# Altium PCB ch32v307_core_board.PcbDoc
Units mm, origin at the board's own origin, x right, y up, seen from the top; angles counter-clockwise.
Board outline 47.39 x 41.04 mm, 2 copper layers (Top Layer, Bottom Layer); 30 components, 86 nets, 233 pads, 71 vias.
Unrouted connection lines stored in the file: 21.
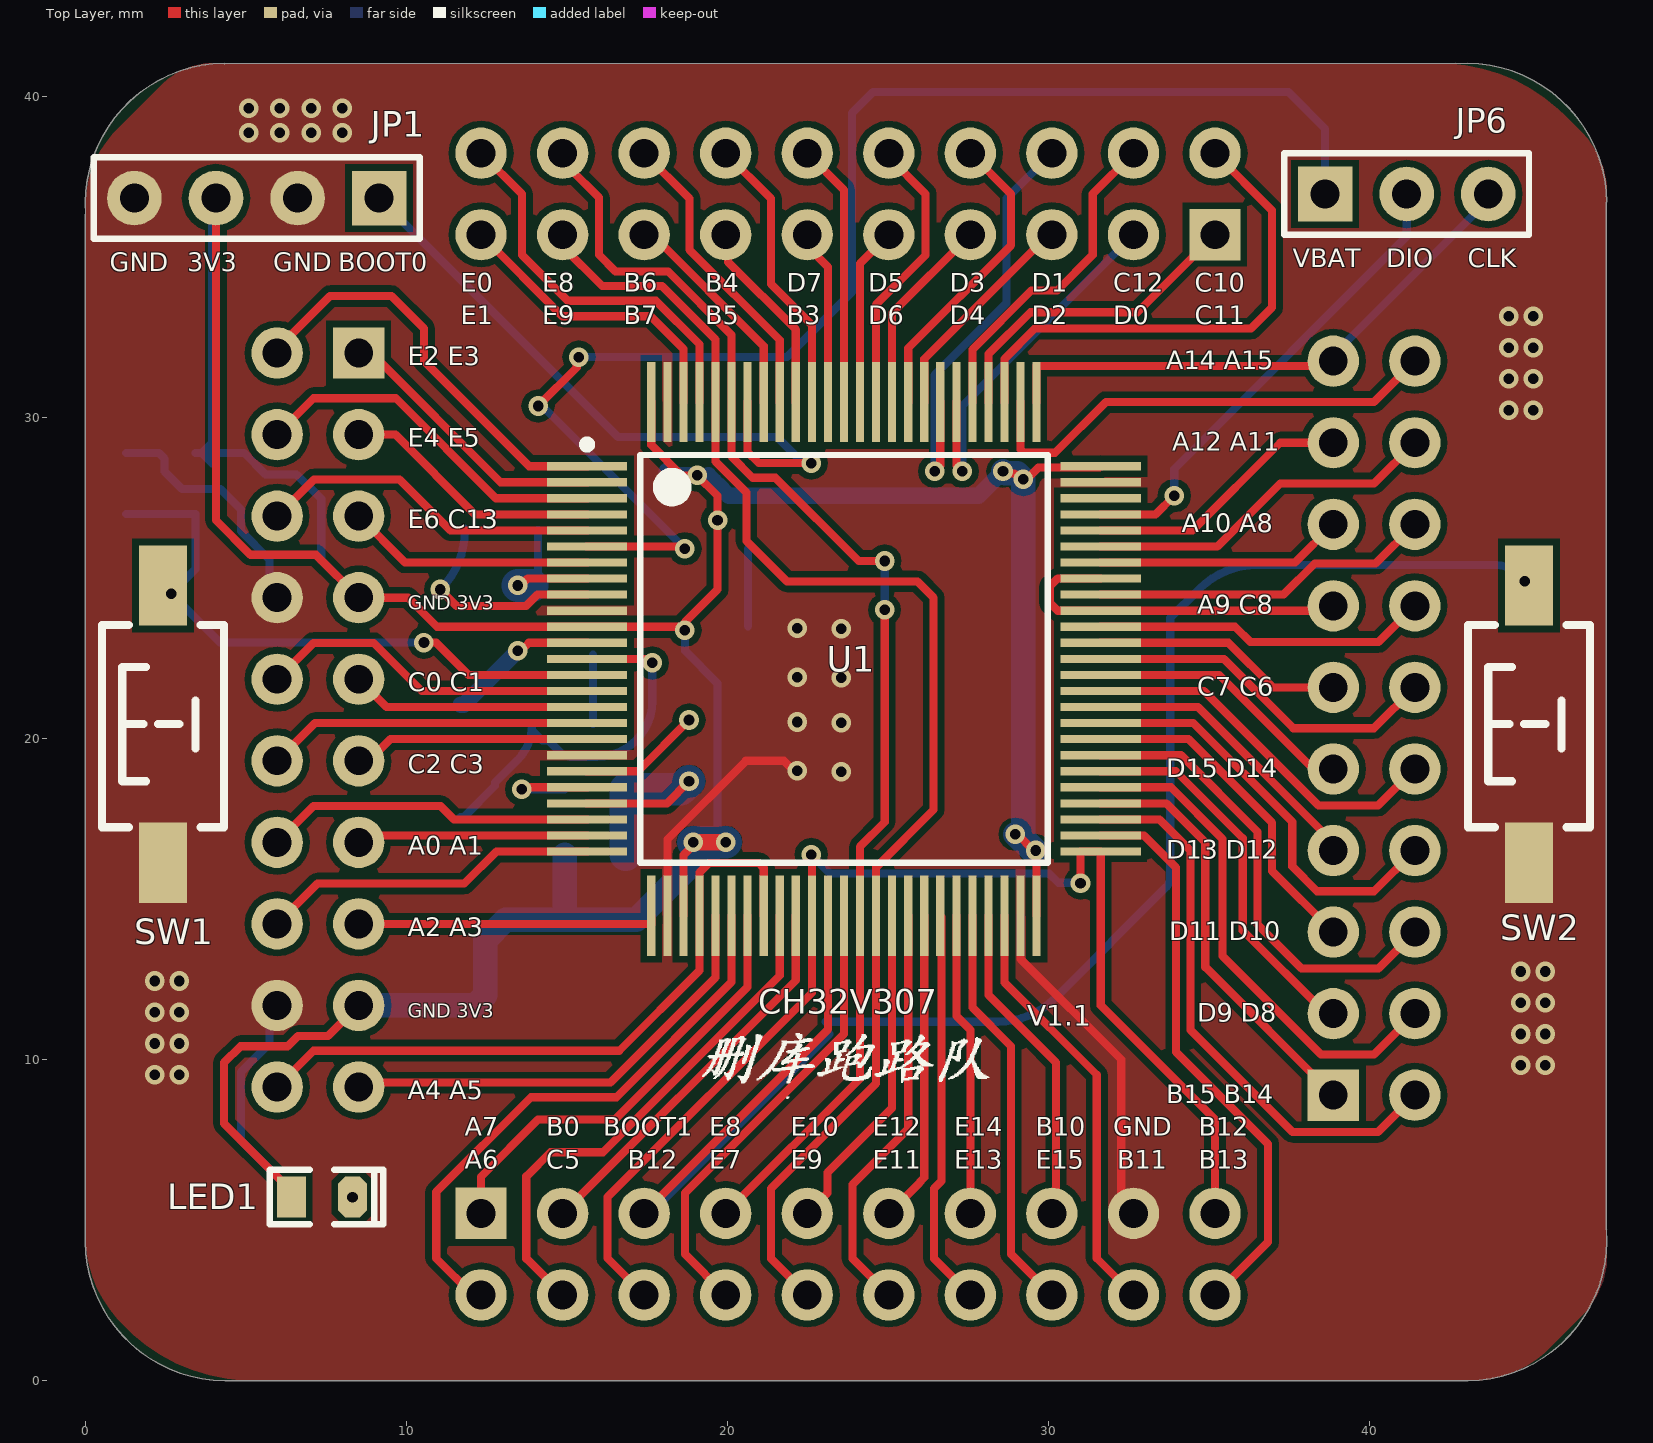
[diagram p0: Top Layer view]
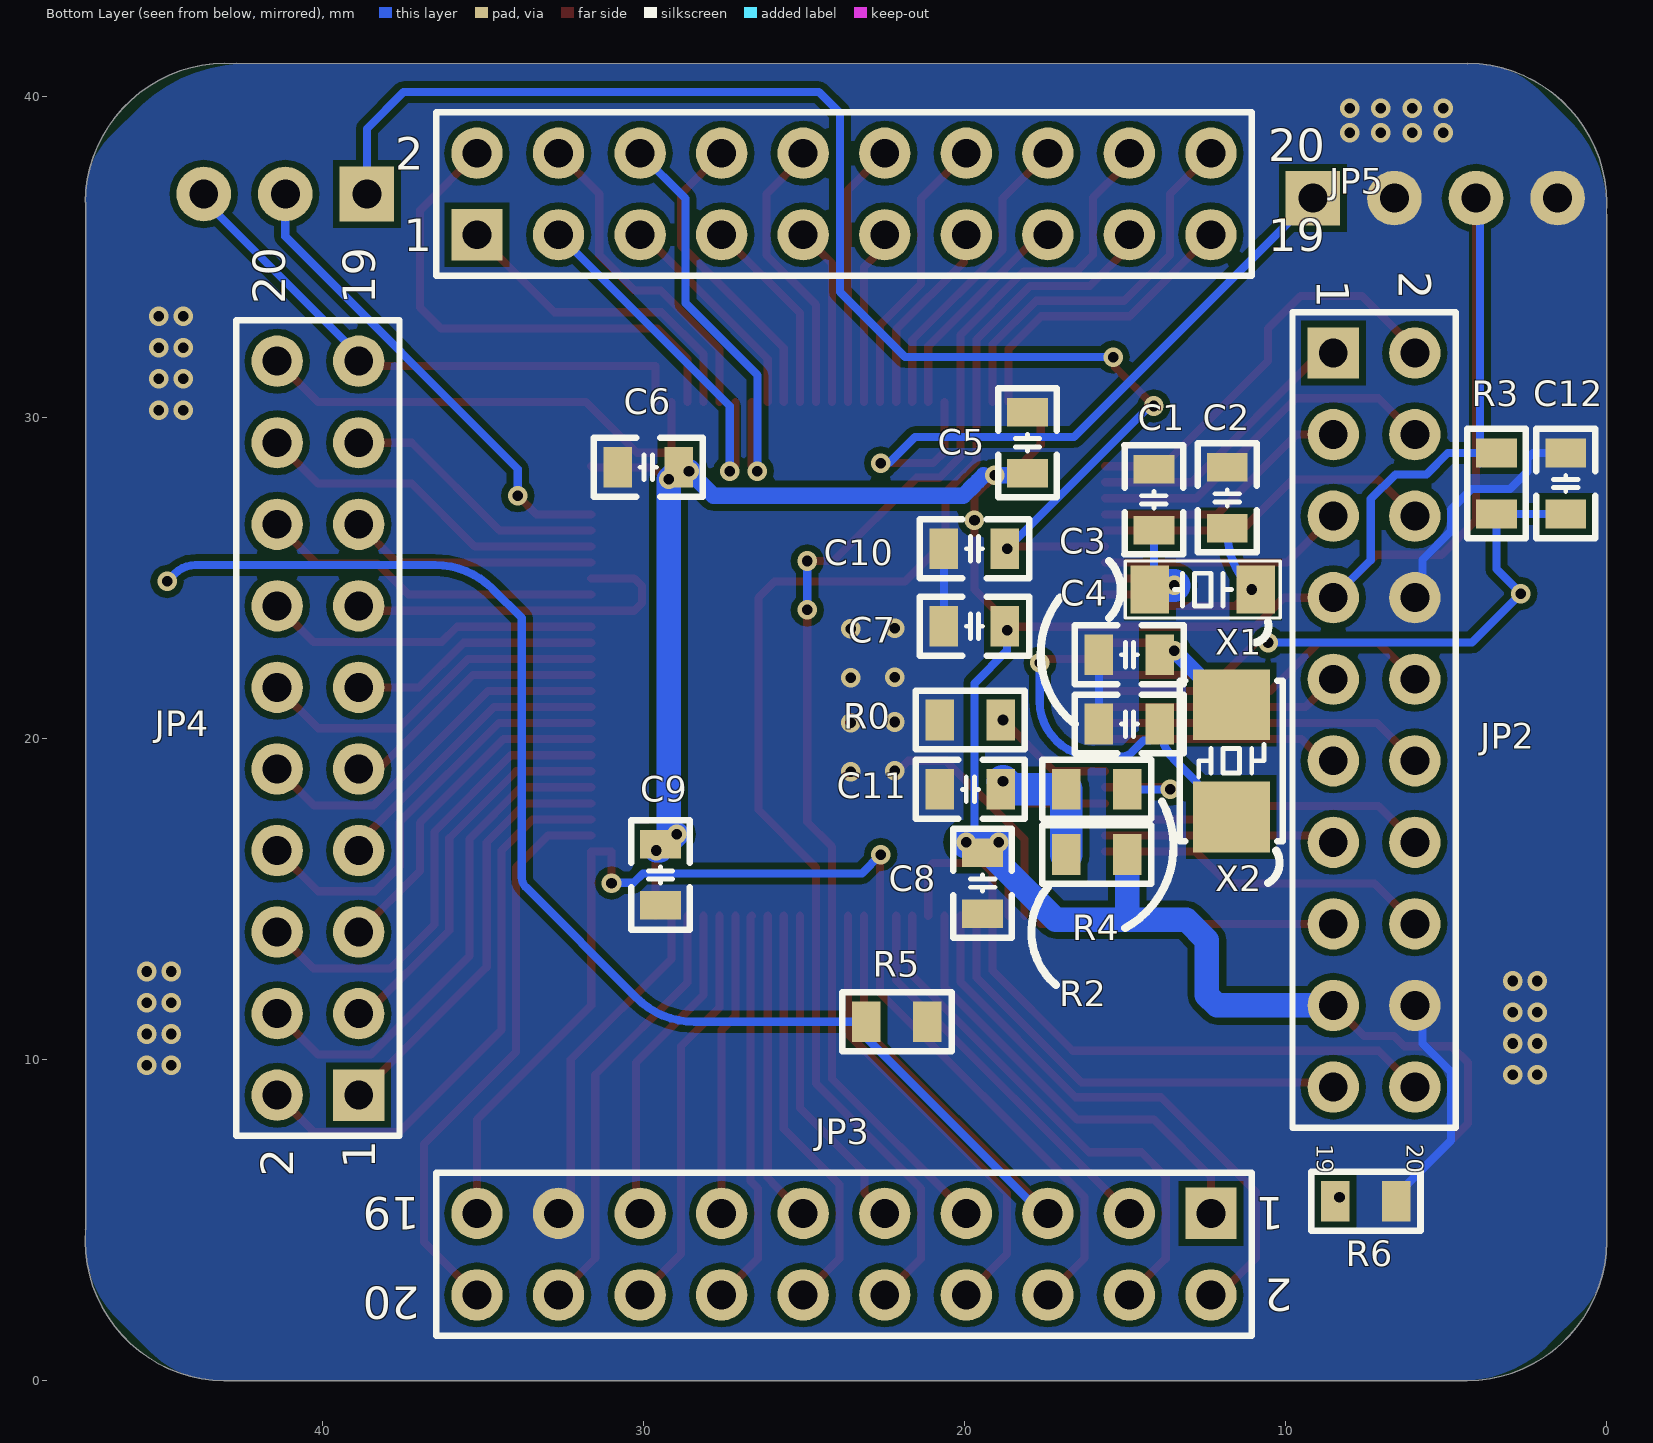
[diagram p1: Bottom Layer view, seen from below]

## Layer stack, top to bottom
Top Solder: solder mask 0.0102, Solder Resist, Dk 3.5
Top Layer: signal copper 0.0356
Dielectric 1: dielectric 0.32, FR-4, Dk 4.8
Bottom Layer: signal copper 0.0356
Bottom Solder: solder mask 0.0102, Solder Resist, Dk 3.5

## Board outline
0,4.318 0,36.322 cw(c4.381,36.639) 4.318,41.032 4.318,41.021 42.672,41.021 cw(c42.989,36.639) 47.382,36.703 47.371,36.703 47.371,4.699 cw(c42.989,4.381) 43.053,-0.011 43.053,0 4.699,0 cw(c4.381,4.381)

## Design rules (kind name [scope] priority, off if disabled: settings)
Clearance [All] p1: gap=0.203 ignorepadtopadclearanceinfootprint=FALSE
PlaneClearance [All] p1: clearance=0.254
PolygonConnect PolygonConnect_9 [All vs IsNamedPolygon('Top Layer-GND')] p1: connectstyle=Direct reliefconductorwidth=0.254 reliefentries=4 polygonreliefangle="90 Angle" airgapwidth=0.254
PolygonConnect PolygonConnect_8 [All vs IsNamedPolygon('Bottom Layer-GND 1')] p2: connectstyle=Direct reliefconductorwidth=0.254 reliefentries=4 polygonreliefangle="90 Angle" airgapwidth=0.254
PolygonConnect PolygonConnect_7 [All vs IsNamedPolygon('Bottom Layer-GND 1')] p3: connectstyle=Direct reliefconductorwidth=0.254 reliefentries=4 polygonreliefangle="90 Angle" airgapwidth=0.254
PolygonConnect PolygonConnect_6 [All vs IsNamedPolygon('Bottom Layer-GND')] p4: connectstyle=Direct reliefconductorwidth=0.254 reliefentries=4 polygonreliefangle="90 Angle" airgapwidth=0.254
PolygonConnect PolygonConnect_5 [All vs IsNamedPolygon('Bottom Layer-GND')] p5: connectstyle=NoConnect reliefconductorwidth=0.254 reliefentries=4 polygonreliefangle="90 Angle" airgapwidth=0.254
PolygonConnect PolygonConnect_4 [All vs IsNamedPolygon('GND_L01_P006')] p6: connectstyle=Direct reliefconductorwidth=0.254 reliefentries=4 polygonreliefangle="90 Angle" airgapwidth=0.254
PolygonConnect PolygonConnect_3 [All vs IsNamedPolygon('GND_L01_P006')] p7: connectstyle=Direct reliefconductorwidth=0.254 reliefentries=4 polygonreliefangle="90 Angle" airgapwidth=0.254
PolygonConnect PolygonConnect_2 [All vs IsNamedPolygon('Bottom Layer-GND')] p8: connectstyle=Direct reliefconductorwidth=0.254 reliefentries=4 polygonreliefangle="90 Angle" airgapwidth=0.254
PolygonConnect PolygonConnect_1 [All vs IsNamedPolygon('Bottom Layer-GND')] p9: connectstyle=NoConnect reliefconductorwidth=0.254 reliefentries=4 polygonreliefangle="90 Angle" airgapwidth=0.254
PolygonConnect [All] p10: connectstyle=Relief reliefconductorwidth=0.254 reliefentries=4 polygonreliefangle="90 Angle" airgapwidth=0.254
RoutingVias [All] p1: holewidth=0.711 width=1.27 viastyle="Through Hole" minholewidth=0.711 minwidth=1.27 maxholewidth=0.711 maxwidth=1.27
SolderMaskExpansion [All] p1: expansion=0.102
Width [All] p1: maxlimit=2.032 minlimit=0.254 preferedwidth=0.254
29 further rules are at their usual default settings.

## Classes and differential pairs
net class GND: GND
net class VCC: 3V3

## Components (designator, comment, footprint, x,y, rotation, side; value= is the part's Value field where it differs from the comment)
C1 "10pF" C0805_L 14.097,27.432 r270 bottom
C2 "10pF" C0805_L 11.811,27.493 r270 bottom
C3 "10pF" C0805_L 14.859,22.606 r180 bottom
C4 "10pF" C0805_L 14.859,20.447 r180 bottom
C5 "0.1uF" C0805_L 18.034,29.21 r90 bottom
C6 "0.1uF" C0805_L 29.845,28.448 r0 bottom
C7 "0.1uF" C0805_L 19.685,23.495 r0 bottom
C8 "0.1uF" C0805_L 19.431,15.494 r270 bottom
C9 "0.1uF" C0805_L 29.464,15.748 r270 bottom
C10 "0.1uF" C0805_L 19.685,25.908 r0 bottom
C11 "0.1uF" C0805_L 19.812,18.415 r0 bottom
C12 "0.1uF" C0805_L 1.27,27.94 r270 bottom
JP1 "HDR-1X4" HDR2.54-LI-4P 5.334,36.83 r180 top
JP2 "Header 2X10" HDR2.54-LI-2x10P 7.239,20.574 r270 bottom
JP3 "Header 2X10" HDR2.54-LI-2x10P 23.749,3.937 r0 bottom
JP4 "Header 2X10" HDR2.54-LI-2x10P 40.132,20.32 r90 bottom
JP5 "Header 2X10" HDR2.54-LI-2x10P 23.749,36.957 r180 bottom
JP6 "HDR-1X3" HDR2.54-LI-3P 41.148,36.957 r0 top
LED1 "红色" LED0805_G 7.366,5.715 r0 top
R0 "0R" R0805_L 19.812,20.574 r180 bottom
R2 "0R" R0805_L 15.875,16.383 r0 bottom
R3 "10K" R0805_L 3.429,27.94 r90 bottom
R4 "0R" R0805_L 15.875,18.415 r0 bottom
R5 "10K" R0805_L 22.098,11.176 r0 bottom
R6 "10K" R0805_L 7.493,5.588 r180 bottom
SW1 "3x6x5" "SW SMD-3*6*4.3" 2.413,20.447 r90 top
SW2 "3x6x5" "SW SMD-3*6*4.3" 44.958,20.447 r90 top
U1 "CH32V307V" LQFP100 23.622,22.479 r0 top
X1 "32.768KHz 12.5pF" XTAL-3215-2P 12.573,24.638 r0 bottom
X2 "8MHz" XTAL-5032-2P 11.684,19.304 r90 bottom

## Footprints (in the part's own frame and the unit in brackets; to place one, negate y for a bottom-side part, rotate by r counter-clockwise, add the part's x,y. Pads: shape width x height; smd on the part's side, far side on the other; paste and mask are expansions set on the pad)
C0805_L [mil] "贴片MLCC电容"
  rect 35x50 smd: 1(-37.4,0) 2(37.4,0)
  silkscreen extent -67,-36 67,36, body extent -39,-24 39,24, height 22
HDR2.54-LI-2x10P [mm] "双排排针，10x2脚"
  rect 1.6x1.6 hole 0.9: 1(-11.43,-1.27)
  round 1.6 hole 0.9: 2(-11.43,1.27) 3(-8.89,-1.27) 4(-8.89,1.27) 5(-6.35,-1.27) 6(-6.35,1.27) 7(-3.81,-1.27) 8(-3.81,1.27) 9(-1.27,-1.27) 10(-1.27,1.27) 11(1.27,-1.27) 12(1.27,1.27) 13(3.81,-1.27) 14(3.81,1.27) 15(6.35,-1.27) 16(6.35,1.27) 17(8.89,-1.27) 18(8.89,1.27) 19(11.43,-1.27) 20(11.43,1.27)
  silkscreen extent -12.7,-2.54 12.7,2.54, body extent -12.7,-2.54 12.7,2.54, height 8.5
HDR2.54-LI-3P [mm] "排针，3脚                        联系卖家 免费查找封装"
  rect 1.7x1.7 hole 0.9: 1(-2.54,0)
  round 1.7 hole 0.9: 2(0,0) 3(2.54,0)
  silkscreen extent -3.81,-1.27 3.81,1.27, body extent -3.81,-1.27 3.81,1.27, height 2.54
HDR2.54-LI-4P [mm] "排针，4脚"
  rect 1.7x1.7 hole 0.9: 1(-3.81,0)
  round 1.7 hole 0.9: 2(-1.27,0) 3(1.27,0) 4(3.81,0)
  silkscreen extent -5.08,-1.27 5.08,1.27, body extent -5.08,-1.27 5.08,1.27, height 2.54
LED0805_G [mil] "绿色0805LED            联系卖家 免费查找封装"
  rect 35x50 smd: 1(-37.4,0)
  oct 35x50 smd: 2(37.4,0)
  silkscreen extent -64,-33 75,33, body extent -39,-25 39,25, height 32
LQFP100 [mm] "TSQFP, 100-Leads, Body 16.0x16.0mm (max), Pitch 0.50mm, IPC Medium Density"
  rect 2.5x0.254 smd: 1(-8,6) 2(-8,5.5) 3(-8,5) 4(-8,4.5) 5(-8,4) 6(-8,3.5) 7(-8,3) 8(-8,2.5) 9(-8,2) 10(-8,1.5) 11(-8,1) 12(-8,0.5) 13(-8,0) 14(-8,-0.5) 15(-8,-1) 16(-8,-1.5) 17(-8,-2) 18(-8,-2.5) 19(-8,-3) 20(-8,-3.5) 21(-8,-4) 22(-8,-4.5) 23(-8,-5) 24(-8,-5.5) 25(-8,-6) 51(8,-6) 52(8,-5.5) 53(8,-5) 54(8,-4.5) 55(8,-4) 56(8,-3.5) 57(8,-3) 58(8,-2.5) 59(8,-2) 60(8,-1.5) 61(8,-1) 62(8,-0.5) 63(8,0) 64(8,0.5) 65(8,1) 66(8,1.5) 67(8,2) 68(8,2.5) 69(8,3) 70(8,3.5) 71(8,4) 72(8,4.5) 73(8,5) 74(8,5.5) 75(8,6)
  rect 0.254x2.5 smd: 26(-6,-8) 27(-5.5,-8) 28(-5,-8) 29(-4.5,-8) 30(-4,-8) 31(-3.5,-8) 32(-3,-8) 33(-2.5,-8) 34(-2,-8) 35(-1.5,-8) 36(-1,-8) 37(-0.5,-8) 38(0,-8) 39(0.5,-8) 40(1,-8) 41(1.5,-8) 42(2,-8) 43(2.5,-8) 44(3,-8) 45(3.5,-8) 46(4,-8) 47(4.5,-8) 48(5,-8) 49(5.5,-8) 50(6,-8) 76(6,8) 77(5.5,8) 78(5,8) 79(4.5,8) 80(4,8) 81(3.5,8) 82(3,8) 83(2.5,8) 84(2,8) 85(1.5,8) 86(1,8) 87(0.5,8) 88(0,8) 89(-0.5,8) 90(-1,8) 91(-1.5,8) 92(-2,8) 93(-2.5,8) 94(-3,8) 95(-3.5,8) 96(-4,8) 97(-4.5,8) 98(-5,8) 99(-5.5,8) 100(-6,8)
  silkscreen extent -8.12,-6.35 6.35,6.8
R0805_L [mil] "1/8W贴片电阻"
  rect 35x50 smd: 1(-37.4,0) 2(37.4,0)
  silkscreen extent -67,-36 67,36, body extent -39,-25 39,25, height 20
"SW SMD-3*6*4.3" [mm] "3*6*4.3mm                                 淘宝ID:黄晶宝石"
  rect 2.5x1.5 smd: 1(-4.318,0) 2(4.318,0)
  silkscreen extent -3.21,-1.9 3.09,1.9, body extent -4.6,-1.75 4.6,1.75, height 4.4
XTAL-3215-2P [mm] "3.2*1.5*0.6mm(长宽高)"
  rect 1.2x1.5 smd: 1(-1.65,0) 2(1.65,0)
  silkscreen extent -2.41,-0.89 2.41,0.89, body extent -1.6,-0.75 1.6,0.75, height 0.61
XTAL-5032-2P [mm] "5mm*3.2mm*0.8mm(长*宽*高)"
  rect 2.2x2.4 smd: 1(-1.75,0) 2(1.75,0)
  silkscreen extent -2.5,-1.6 2.5,1.6, body extent -2.5,-1.6 2.5,1.6, height 0.86

## Part data
C1 C2 C3 C4 C5 C6 C7 C8 C9 C10 C11 C12: library part C, "贴片电容/MLCC电容"
JP1: library part "Header 4", "4P接插件"
JP2 JP3 JP4 JP5: library part "Header 10X2", "10*2P接插件"
JP6: library part "Header 3", "3P接插件"
LED1: library part LED-SMD, "贴片LED"
R0 R2 R3 R4 R5 R6: library part R, "贴片电阻"
SW1 SW2: library part SW-PB, "微动开关"
U1: "RISC-V FPU HD-MCU, 144MHz, USB_480M, USB OTG, 1000M Ethernet MAC, 2*CAN, FSMC+DVP"
X1 X2: library part XTAL-2P, "2脚无源晶振(谐振器）"

## Via types
v1: diameter 0.61, hole 0.33, Top Layer to Bottom Layer, tented both sides, 55 vias
v2: diameter 0.61, hole 0.33, Top Layer to Bottom Layer, tented top, 13 vias
v3: diameter 0.61, hole 0.33, Top Layer to Bottom Layer, tented bottom, 2 vias
v4: diameter 0.61, hole 0.33, Top Layer to Bottom Layer, 1 vias

## Nets (pads, with @x,y where several pads share a name; then routed paths per layer and width w, separated by ;. In a path a pad name is that pad's centre, name@x,y a point inside that pad or via, vN(x,y) a via of type N, cw(c..) or ccw(c..) an arc to the next point about the centre after c; other vN are vias at no path point)
3V3: C5.1 C6.1 C7.1 C8.1 C9.1 JP1.3 JP2.7 JP2.17 LED1.1 R2.1 R3.2 U1.11 U1.28 U1.50 U1.75 U1.100 | length 120
  Top Layer w0.254: JP1.3 4.064,26.797 5.142,25.719 7.174,25.719 JP2.7 10.042,24.384 10.947,23.479 U1.11 18.462,23.479 18.573,23.368 v2(18.669,23.368) 18.669,23.622 19.685,24.638 v1(19.685,26.797) 19.685,27.559 v1(19.05,28.194) 18.563,28.194 17.622,29.135 U1.100 ; LED1.1 6.416,5.905 4.318,8.003 4.318,9.906 4.824,10.412 6.296,10.412 6.615,10.731 7.556,10.731 JP2.17 ; U1.28 18.622,16.367 18.923,16.668 v2(18.923,16.764) ; v2(28.575,28.321) 28.643,28.253 28.928,28.253 29.114,28.067 v2(29.21,28.067) 29.306,28.067 29.675,28.436 31.579,28.436 U1.75 ; v2(28.956,17.018) 29.019,17.018 29.527,16.51 v2(29.591,16.51) 29.622,16.479 U1.50
  Top Layer w0.508: v2(18.923,16.764) v2(19.939,16.764)
  Bottom Layer w0.254: R3.2 R3.2@3.619,28.89 ; R3.2@3.937,28.572 R3.2@3.619,28.89 ; JP1.3 3.937,36.703 3.937,29.207 R3.2@3.619,28.89 ; JP2.7 7.344,25.549 7.344,27.454 6.574,28.224 5.61,28.224 4.945,28.89 R3.2@3.619,28.89 ; C5.1 C5.1@18.095,28.321 ; v2(18.669,23.368) 18.669,22.733 19.685,21.717 19.685,17.145 19.304,16.764 19.304,16.508 C8.1@19.241,16.444 ; v1(19.05,28.194) 19.4,28.194 ; 19.586,28.008 19.685,27.909
  Bottom Layer w0.508: C5.1@18.095,28.321 18.222,28.194 v1(19.05,28.194) ; 19.4,28.194 19.586,28.008 ; 19.685,27.909 20.035,27.559 27.813,27.559 v2(28.575,28.321)
  Bottom Layer w0.762: JP2.17 12.131,11.684 12.446,11.999 12.446,13.716 13.081,14.351 14.859,14.351 ; R2.1 14.925,14.417 14.859,14.351 ; C8.1 19.241,16.444 17.147,14.351 14.859,14.351 ; v2(28.575,28.321) 28.643,28.253 29.024,28.253 v2(29.21,28.067) 29.21,16.891 v2(29.591,16.51) 29.464,16.51 v2(28.956,17.018)
  Bottom Layer w1.016: v2(18.923,16.764) 19.304,16.764 v2(19.939,16.764)
BOOT0: JP1.1 U1.94 | length 20.6
  Top Layer w0.254: U1.94 20.622,28.922 20.969,28.575 v1(22.606,28.575)
  Bottom Layer w0.254: JP1.1 16.589,29.385 21.542,29.385 22.352,28.575 v1(22.606,28.575)
BOOT1: JP3.5 R5.2 SW2.2 U1.37 | length 52.4
  Top Layer w0.254: JP3.5 17.399,5.219 23.122,10.942 U1.37
  Bottom Layer w0.254: JP3.5 cw(c18.172,5.207) JP3.5@17.625,5.754 ; JP3.5@17.752,5.373 R5.2@23.175,10.795 ; R5.2 28.412,11.176 ccw(c28.412,13.716) 30.208,11.92 33.655,15.367 ccw(c33.348,15.674) 33.782,15.674 33.782,23.749 34.689,24.656 cw(c36.485,22.86) 36.485,25.4 43.942,25.4 cw(c43.942,24.48) 44.592,25.131 v3(44.831,24.892)
GND: C1.1 C2.1 C3.1 C4.1 C5.2 C6.2 C7.2 C8.2 C9.2 C10.2 C11.2 C12.1 JP1.2 JP1.4 JP2.8 JP2.18 JP3.17 R0.1 R5.1 R6.2 SW1.1 SW2.1 U1.10 U1.19 U1.27 U1.49 U1.74 U1.99 | length 37.9
  Top Layer w0.254: U1.27 18.122,16.861 20.565,19.304 21.752,19.304 22.067,18.989 v1(22.164,18.989) ; U1.49 29.122,13.135 32.258,9.999 32.258,5.588 JP3.17
  Bottom Layer w0.254: C12.1 2.286,28.89 2.464,28.712 2.464,28.309 3.008,27.765 4.201,27.765 4.839,27.127 4.839,26.456 5.73,25.565 5.73,24.623 JP2.8 ; JP2.18 5.73,11.445 5.73,10.503 4.839,9.612 4.839,7.483 6.543,5.778 R6.2 ; C4.1 C3.1 ; C7.2 C10.2
  other v1: 2.159,9.525 2.921,9.525 44.704,9.821 45.466,9.821 2.159,10.499 2.921,10.499 44.704,10.795 45.466,10.795 2.159,11.472 2.921,11.472 44.704,11.769 45.466,11.769 2.159,12.446 2.921,12.446 44.704,12.742 45.466,12.742 23.539,18.967 23.539,20.491 22.164,20.513 23.539,21.888 22.164,21.91 23.539,23.412 22.164,23.434 44.323,30.226 45.085,30.226 44.323,31.2 45.085,31.2 44.323,32.173 45.085,32.173 44.323,33.147 45.085,33.147 5.08,38.862 6.054,38.862 7.027,38.862 8.001,38.862 5.08,39.624 6.054,39.624 7.027,39.624 8.001,39.624
NetLED1_2: LED1.2 R6.1
  other v4: 8.316,5.715
NRST: C12.2 R3.1 SW1.2 U1.14 | length 19
  Top Layer w0.254: v1(10.541,22.987) 10.922,22.987 11.93,21.979 U1.14
  Bottom Layer w0.254: C12.2 R3.1 3.429,25.273 v3(2.667,24.511) 4.191,22.987 v1(10.541,22.987)
OSC32_IN: C1.2 U1.8 X1.2 | length 4.9
  Top Layer w0.254: v2(13.462,24.765) 13.558,24.765 13.772,24.979 U1.8
  Bottom Layer w0.254: X1.2@13.916,24.765 cw(c13.916,24.331) X1.2 cw(c14.527,24.942) 14.097,24.942 C1.2
  Bottom Layer w1.016: v2(13.462,24.765) X1.2@13.916,24.765
OSC32_OUT: C2.2 U1.9 X1.1 | length 7
  Top Layer w0.254: v2(11.049,24.638) 11.557,24.13 13.725,24.13 14.074,24.479 U1.9
  Bottom Layer w0.254: v2(11.049,24.638) 11.067,24.656 ccw(c9.271,26.452) 11.811,26.452 C2.2
OSC_IN: C3.2 U1.12 X2.2 | length 4.7
  Top Layer w0.254: v2(13.462,22.733) 13.558,22.733 13.804,22.979 U1.12
  Bottom Layer w0.508: X2.2 11.784,21.054 v2(13.462,22.733)
OSC_OUT: C4.2 U1.13 X2.1 | length 12.3
  Top Layer w0.254: U1.13 17.43,22.479 17.557,22.352 v1(17.653,22.352)
  Bottom Layer w0.254: X2.1 11.784,17.554 12.757,18.527 12.757,18.627 13.437,19.307 ccw(c12.297,20.447) C4.2 13.909,20.256 14.227,19.939 14.417,19.939 14.792,19.564 ccw(c15.113,19.885) 15.113,19.431 15.919,19.431 ccw(c15.919,21.165) 17.145,19.939 ccw(c15.919,21.165) 17.653,21.165 v1(17.653,22.352)
PA0: JP2.14 U1.23 | length 10.3
  Top Layer w0.254: JP2.14 7.099,17.894 11.062,17.894 11.478,17.479 U1.23
PA1: JP2.13 U1.24 | length 7.2
  Top Layer w0.254: JP2.13 8.724,16.979 U1.24
PA2: JP2.16 U1.25 | length 10.6
  Top Layer w0.254: JP2.16 7.225,15.48 11.797,15.48 12.796,16.479 U1.25
PA3: JP2.15 U1.26 | length 9.4
  Top Layer w0.254: JP2.15 17.622,14.224 U1.26
PA4: JP2.20 U1.29 U1.33 | length 21.4
  Top Layer w0.254: JP2.20 7.099,10.274 16.624,10.274 19.122,12.772 U1.29 19.122,15.823 19.419,16.12 20.973,16.12 21.122,15.971 U1.33
PA5: JP2.19 U1.30 | length 14.4
  Top Layer w0.254: JP2.19 8.648,9.283 16.349,9.283 19.622,12.556 U1.30
PA6: JP3.2 U1.31 | length 17.9
  Top Layer w0.254: JP3.2 12.065,2.667 10.922,3.81 10.922,5.877 13.871,8.826 16.538,8.826 20.122,12.41 U1.31
PA7: JP3.1 U1.32 | length 14.1
  Top Layer w0.254: JP3.1 12.319,6.35 14.097,8.128 16.487,8.128 20.622,12.263 U1.32
PA8: JP4.16 U1.67 | length 10.7
  Top Layer w0.254: U1.67 37.318,24.479 38.284,25.446 40.178,25.446 JP4.16
PA9: JP4.13 U1.66 U1.68 | length 11.2
  Top Layer w0.254: U1.68 30.278,24.979 30.042,24.743 30.042,24.215 30.278,23.979 U1.66 38.711,23.979 JP4.13
PA10: JP4.15 U1.69 | length 7.7
  Top Layer w0.254: U1.69 37.671,25.479 JP4.15
PA11: JP4.18 U1.70 | length 11.1
  Top Layer w0.254: U1.70 35.25,25.979 37.211,27.94 40.132,27.94 JP4.18
PA12: JP4.17 U1.71 | length 8.4
  Top Layer w0.254: U1.71 34.48,26.479 37.211,29.21 JP4.17
PA14: JP4.19 JP6.3 U1.76 | length 18.3
  Top Layer w0.254: U1.76 29.622,31.602 38.714,31.602 JP4.19 JP4.19@39.101,31.989 ; JP6.3@43.36,36.957 JP6.3
  Bottom Layer w0.254: JP4.19 38.862,31.941 43.688,36.767 JP6.3
PA15: JP4.20 U1.77 | length 15
  Top Layer w0.254: U1.77 29.122,28.997 29.22,28.899 30.198,28.899 31.779,30.48 40.132,30.48 JP4.20
PB0: JP3.3 U1.35 | length 12.3
  Top Layer w0.254: JP3.3 22.122,12.47 U1.35
PB3: JP5.11 U1.89 | length 5.5
  Top Layer w0.254: JP5.11 22.479,35.323 23.122,34.68 U1.89
PB4: JP5.14 U1.90 | length 8.9
  Top Layer w0.254: JP5.14 21.349,36.817 21.349,34.15 22.622,32.877 U1.90
PB5: JP5.13 U1.91 | length 6.1
  Top Layer w0.254: JP5.13 20.009,35.617 20.009,34.843 22.122,32.73 U1.91
PB6: JP5.16 U1.92 | length 9.5
  Top Layer w0.254: JP5.16 18.809,36.817 18.809,35.219 21.622,32.406 U1.92
PB7: JP5.15 U1.93 | length 6.9
  Top Layer w0.254: JP5.15 17.653,35.687 21.122,32.218 U1.93
PB10: JP3.15 U1.47 | length 10.2
  Top Layer w0.254: U1.47 28.122,12.01 30.226,9.906 30.226,5.334 JP3.15
PB11: JP3.18 U1.48 | length 13.5
  Top Layer w0.254: U1.48 28.622,12.399 31.496,9.525 31.496,3.81 JP3.18
PB12: JP3.6 JP3.19 U1.36 U1.51 | length 39.9
  Top Layer w0.254: JP3.6 16.256,3.81 16.256,5.715 22.622,12.081 U1.36 22.622,16.367 v1(22.606,16.383) ; v1(30.988,15.494) 30.988,16.479 U1.51 31.622,11.685 35.179,8.128 JP3.19
  Bottom Layer w0.254: v1(22.606,16.383) 23.19,15.799 30.01,15.799 30.302,15.506 30.976,15.506 v1(30.988,15.494)
PB13: JP3.20 U1.52 | length 17.9
  Top Layer w0.254: U1.52 32.966,16.979 33.962,15.983 33.962,10.234 36.83,7.366 36.83,4.318 JP3.20
PB14: JP4.2 U1.53 | length 17.6
  Top Layer w0.254: U1.53 33.448,17.479 34.419,16.508 34.419,10.92 37.592,7.747 40.259,7.747 JP4.2
PB15: JP4.1 U1.54 | length 13.3
  Top Layer w0.254: U1.54 33.661,17.979 34.876,16.764 34.876,12.876 JP4.1
PC0: JP2.10 U1.15 | length 10.7
  Top Layer w0.254: JP2.10 7.099,22.974 8.977,22.974 10.472,21.479 U1.15
PC1: JP2.9 U1.16 | length 7.5
  Top Layer w0.254: JP2.9 9.374,20.979 U1.16
PC2: JP2.12 U1.17 | length 10.1
  Top Layer w0.254: JP2.12 7.144,20.479 U1.17
PC3: JP2.11 U1.18 | length 7.4
  Top Layer w0.254: JP2.11 8.829,19.304 9.504,19.979 U1.18
PC5: JP3.4 U1.34 | length 16.5
  Top Layer w0.254: JP3.4 13.729,3.797 13.729,6.363 14.478,7.112 16.117,7.112 21.622,12.617 U1.34
PC6: JP4.12 U1.63 | length 11.2
  Top Layer w0.254: U1.63 35.456,22.479 37.615,20.32 40.132,20.32 JP4.12
PC7: JP4.11 U1.64 | length 7.8
  Top Layer w0.254: U1.64 35.603,22.979 36.992,21.59 JP4.11
PC8: JP4.14 U1.65 | length 10.4
  Top Layer w0.254: U1.65 35.798,23.479 36.277,23 40.272,23 JP4.14
PC10: JP5.2 U1.78 | length 15.9
  Top Layer w0.254: U1.78 28.622,31.823 29.565,32.766 36.3,32.766 36.957,33.423 36.957,36.449 JP5.2
PC11: JP5.1 U1.79 | length 10.1
  Top Layer w0.254: U1.79 28.122,31.97 29.426,33.274 32.766,33.274 JP5.1
PC12: JP5.4 U1.80 | length 10.3
  Top Layer w0.254: U1.80 27.622,32.116 29.455,33.949 30.266,33.949 31.369,35.052 31.369,36.957 JP5.4
PC13: JP2.5 U1.7 | length 7.7
  Top Layer w0.254: JP2.5 9.954,25.479 U1.7
PD0: JP5.3 U1.81 | length 11.8
  Top Layer w0.254: U1.81 27.122,28.504 v1(27.305,28.321)
  Bottom Layer w0.254: v1(27.305,28.321) 27.305,30.353 JP5.3
PD1: JP5.6 U1.82 | length 13.6
  Top Layer w0.254: v1(26.447,28.321) 26.622,28.496 U1.82
  Bottom Layer w0.254: v1(26.447,28.321) 26.447,31.314 28.689,33.556 28.689,36.817 JP5.6
PD2: JP5.5 U1.83 | length 6.9
  Top Layer w0.254: U1.83 26.122,31.823 29.986,35.687 JP5.5
PD3: JP5.8 U1.84 | length 9.6
  Top Layer w0.254: U1.84 25.622,32.152 28.829,35.359 28.829,36.957 JP5.8
PD4: JP5.7 U1.85 | length 6.2
  Top Layer w0.254: U1.85 25.122,33.25 JP5.7
PD5: JP5.10 U1.86 | length 8.9
  Top Layer w0.254: U1.86 24.622,33.51 26.162,35.05 26.162,36.957 25.019,38.1 JP5.10
PD6: JP5.9 U1.87 | length 5.6
  Top Layer w0.254: U1.87 24.122,34.79 JP5.9
PD7: JP5.12 U1.88 | length 8.2
  Top Layer w0.254: JP5.12 23.622,37.084 U1.88
PD8: JP4.4 U1.55 | length 15.9
  Top Layer w0.254: U1.55 33.808,18.479 35.415,16.873 35.415,13.226 38.481,10.16 40.132,10.16 JP4.4
PD9: JP4.3 U1.56 | length 12
  Top Layer w0.254: U1.56 33.955,18.979 36.043,16.891 36.043,14.018 38.631,11.43 JP4.3
PD10: JP4.6 U1.57 | length 14.7
  Top Layer w0.254: U1.57 34.115,19.479 36.5,17.094 36.5,14.208 37.868,12.84 40.272,12.84 JP4.6
PD11: JP4.5 U1.58 | length 10.7
  Top Layer w0.254: U1.58 34.354,19.979 36.957,17.376 36.957,15.875 JP4.5 JP4.5@38.862,14.083
PD12: JP4.8 U1.59 | length 13.3
  Top Layer w0.254: U1.59 34.5,20.479 37.586,17.393 37.586,16.008 38.354,15.24 40.132,15.24 JP4.8
PD13: JP4.7 U1.60 | length 9.2
  Top Layer w0.254: U1.60 34.647,20.979 38.687,16.939 38.687,16.685 JP4.7
PD14: JP4.10 U1.61 | length 11.7
  Top Layer w0.254: U1.61 34.835,21.479 38.407,17.907 40.259,17.907 JP4.10
PD15: JP4.9 U1.62 | length 8.5
  Top Layer w0.254: U1.62 35.31,21.979 38.239,19.05 JP4.9
PE0: JP5.20 U1.97 | length 12.2
  Top Layer w0.254: JP5.20 13.591,36.955 13.591,35.062 15.023,33.63 17.771,33.63 19.122,32.278 U1.97
PE1: JP5.19 U1.98 | length 9.4
  Top Layer w0.254: JP5.19 14.859,33.147 17.607,33.147 18.622,32.132 U1.98
PE2: JP2.2 U1.1 | length 13.3
  Top Layer w0.254: JP2.2 5.969,32.131 7.62,33.782 9.525,33.782 10.541,32.766 10.541,31.75 13.812,28.479 U1.1
PE3: JP2.1 U1.2 | length 8.8
  Top Layer w0.254: JP2.1 8.902,32.004 12.927,27.979 U1.2
PE4: JP2.4 U1.3 | length 11.4
  Top Layer w0.254: JP2.4 7.099,30.594 9.665,30.594 12.78,27.479 U1.3
PE5: JP2.3 U1.4 | length 8.1
  Top Layer w0.254: JP2.3 9.652,29.464 12.137,26.979 U1.4
PE6: JP2.6 U1.5 | length 10.8
  Top Layer w0.254: JP2.6 7.112,28.067 9.779,28.067 11.367,26.479 U1.5
PE7: JP3.8 U1.38 | length 14.4
  Top Layer w0.254: JP3.8 18.669,3.937 18.669,5.842 23.622,10.795 U1.38
PE8: JP3.7 JP5.18 U1.39 U1.95 | length 41.1
  Top Layer w0.254: JP5.18 15.098,37.988 15.098,37.734 15.989,36.843 15.989,35.065 16.51,34.544 18.149,34.544 20.122,32.571 U1.95 20.122,28.776 20.78,28.118 21.492,28.118 24.083,25.527 v1(24.892,25.527) ; JP3.7 19.939,5.219 24.122,9.402 U1.39 24.122,16.629 24.892,17.399 v1(24.892,24.003)
  Bottom Layer w0.254: v1(24.892,24.003) v1(24.892,25.527)
PE9: JP3.10 JP5.17 U1.40 U1.96 | length 43.8
  Top Layer w0.254: JP5.17 14.859,35.323 16.095,34.087 17.96,34.087 19.622,32.425 U1.96 19.622,28.629 20.591,27.661 20.591,26.145 21.844,24.892 25.908,24.892 26.416,24.384 26.416,17.78 24.622,15.986 U1.40 24.622,9.255 21.349,5.982 21.349,3.797 JP3.10
PE10: JP3.9 U1.41 | length 10.4
  Top Layer w0.254: JP3.9 23.114,5.842 23.114,6.477 25.122,8.485 U1.41
PE11: JP3.12 U1.42 | length 13
  Top Layer w0.254: JP3.12 23.889,3.797 23.889,6.109 25.622,7.842 U1.42
PE12: JP3.11 U1.43 | length 9.7
  Top Layer w0.254: JP3.11 25.972,6.16 25.972,6.171 26.122,6.322 U1.43
PE13: JP3.14 U1.44 | length 12.4
  Top Layer w0.254: U1.44 26.665,14.436 26.665,6.218 26.429,5.982 26.429,3.797 JP3.14
PE14: JP3.13 U1.45 | length 9.5
  Top Layer w0.254: U1.45 27.122,11.359 27.559,10.922 JP3.13
PE15: JP3.16 U1.46 | length 12.8
  Top Layer w0.254: U1.46 27.622,11.621 28.829,10.414 28.829,3.937 JP3.16
SWDIO: JP6.2 U1.72 | length 15.3
  Top Layer w0.254: U1.72 33.329,26.979 v1(33.909,27.559)
  Bottom Layer w0.254: v1(33.909,27.559) 33.909,28.395 41.148,35.634 JP6.2 JP6.2@40.82,36.957
VBAT: C10.1 JP6.1 U1.6 | length 44
  Top Layer w0.254: v1(14.097,30.353) 15.299,31.555 15.299,31.809 v1(15.367,31.877) ; U1.6 18.502,25.979 18.573,25.908 v2(18.669,25.908)
  Bottom Layer w0.254: v1(14.097,30.353) 14.224,30.353 v2(18.669,25.908) ; v1(15.367,31.877) 21.844,31.877 23.876,33.909 23.876,39.475 24.533,40.132 37.465,40.132 38.608,38.989 JP6.1
VDDA: C11.1 R2.2 R4.2 U1.22 | length 7.6
  Top Layer w0.254: U1.22 18.106,17.979 v2(18.796,18.669)
  Bottom Layer w1.016: R2.2 R4.2 18.542,18.415 v2(18.796,18.669)
VREF+: R4.1 U1.21 | length 3.4
  Top Layer w0.254: v1(13.589,18.415) 13.653,18.479 U1.21
  Bottom Layer w0.254: v1(13.589,18.415) R4.1
VREF-: R0.2 U1.20 | length 3.8
  Top Layer w0.254: U1.20 17.201,18.979 v2(18.796,20.574)
pads on no net: U1.73

## Polygon pours and split planes (outlines as drawn)
GND on Bottom Layer "Bottom Layer-GND 1" (solid, pour order 18): 0,36.449 0,4.064 ccw(c2.759,4.064) 0.808,2.113 1.778,1.143 ccw(c4.537,3.902) 4.537,0 43.193,0 ccw(c43.193,3.035) 45.339,0.889 46.383,1.933 ccw(c43.998,4.318) 47.371,4.318 47.371,36.895 ccw(c44.769,36.895) 46.609,38.735 45.76,39.584 ccw(c42.291,36.115) 42.291,41.021 4.178,41.021 ccw(c4.178,37.986) 2.032,40.132 1.167,39.267 ccw(c3.986,36.449)
no net on Bottom Layer "Bottom Layer-No Net" (solid, pour order 10): 47.371,40.894
GND on Bottom Layer "Bottom Layer-GND" (solid, pour order 4): 20.193,24.257 20.193,17.78 24.257,17.78 24.257,24.257
GND on Top Layer "Top Layer-GND" (solid, pour order 24): 0,4.537 ccw(c3.902,4.537) 1.143,1.778 1.292,1.629 ccw(c5.225,5.563) 5.225,0 43.18,0 ccw(c43.18,3.373) 45.565,0.988 46.609,2.032 ccw(c44.769,3.872) 47.371,3.872 47.371,37.022 ccw(c44.769,37.022) 46.609,38.862 46.066,39.405 ccw(c42.164,35.502) 42.164,41.021 3.946,41.021 ccw(c3.946,38.853) 2.413,40.386 0.988,38.961 ccw(c3.373,36.576) 0,36.576
no net on Top Layer "Top Layer-No Net" (solid, pour order 14): 0,41.021
GND on Top Layer "GND_L01_P006" (solid, pour order 6): 24.13,24.13 24.13,17.78 21.336,17.78 21.336,24.13

## Silkscreen, mask and mechanical layers (free items; w line width, h text height)
Top Overlay:
  drawing of 894 lines, arcs and shapes, not listed
  text "VBAT" at 37.592,34.671 h0.58
  text "DIO" at 40.513,34.671 h0.58
  text "CLK" at 43.053,34.671 h0.58
  text "GND" at 0.762,34.544 h0.58
  text "3V3" at 3.175,34.544 h0.58
  text "GND" at 5.842,34.544 h0.58
  text "BOOT0" at 7.874,34.544 h0.58
  text "E0" at 11.684,33.909 h0.58
  text "E8" at 14.224,33.909 h0.58
  text "B6" at 16.764,33.909 h0.58
  text "B4" at 19.304,33.909 h0.58
  text "D7" at 21.844,33.909 h0.58
  text "D5" at 24.384,33.909 h0.58
  text "D3" at 26.924,33.909 h0.58
  text "D1" at 29.464,33.909 h0.58
  text "C12" at 32.004,33.909 h0.58
  text "C10" at 34.544,33.909 h0.58
  text "E1" at 11.684,32.893 h0.58
  text "E9" at 14.224,32.893 h0.58
  text "B7" at 16.764,32.893 h0.58
  text "B5" at 19.304,32.893 h0.58
  text "B3" at 21.844,32.893 h0.58
  text "D6" at 24.384,32.893 h0.58
  text "D4" at 26.924,32.893 h0.58
  text "D2" at 29.464,32.893 h0.58
  text "D0" at 32.004,32.893 h0.58
  text "C11" at 34.544,32.893 h0.58
  text "E2 E3" at 10.033,31.623 h0.58
  text "A14 A15" at 33.655,31.496 h0.58
  text "E4 E5" at 10.033,29.083 h0.58
  text "A12 A11" at 33.85,28.956 h0.58
  text "E6 C13" at 10.033,26.543 h0.58
  text "A10 A8" at 34.142,26.416 h0.58
  text "GND 3V3" at 10.033,24.003 h0.43
  text "A9 C8" at 34.628,23.876 h0.58
  text "C0 C1" at 10.033,21.463 h0.58
  text "C7 C6" at 34.628,21.336 h0.58
  text "C2 C3" at 10.033,18.923 h0.58
  text "D15 D14" at 33.655,18.796 h0.58
  text "A0 A1" at 10.033,16.383 h0.58
  text "D13 D12" at 33.655,16.256 h0.58
  text "A2 A3" at 10.033,13.843 h0.58
  text "D11 D10" at 33.752,13.716 h0.58
  text "CH32V307" at 20.955,11.43 h0.76
  text "GND 3V3" at 10.033,11.303 h0.43
  text "D9 D8" at 34.628,11.176 h0.58
  text "V1.1" at 29.337,11.049 h0.64
  text "A4 A5" at 10.033,8.763 h0.58
  text "B15 B14" at 33.655,8.636 h0.58
  text "A7" at 11.811,7.62 h0.58
  text "B0" at 14.351,7.62 h0.58
  text "BOOT1" at 16.129,7.62 h0.58
  text "E8" at 19.431,7.62 h0.58
  text "E10" at 21.971,7.62 h0.58
  text "E12" at 24.511,7.62 h0.58
  text "E14" at 27.051,7.62 h0.58
  text "B10" at 29.591,7.62 h0.58
  text "GND" at 32.004,7.62 h0.58
  text "B12" at 34.671,7.62 h0.58
  text "A6" at 11.811,6.604 h0.58
  text "C5" at 14.351,6.604 h0.58
  text "B12" at 16.891,6.604 h0.58
  text "E7" at 19.431,6.604 h0.58
  text "E9" at 21.971,6.604 h0.58
  text "E11" at 24.511,6.604 h0.58
  text "E13" at 27.051,6.604 h0.58
  text "E15" at 29.591,6.604 h0.58
  text "B11" at 32.131,6.604 h0.58
  text "B13" at 34.671,6.604 h0.58
Bottom Overlay:
  lines w0.254: 10.287,16.51 ccw(c10.922,16.129) 10.541,15.494 ; 10.541,23.622 ccw(c11.049,23.495) 10.922,22.987 ; 13.843,18.034 ccw(c16.383,16.637) 14.986,14.097 ; 15.494,23.749 cw(c16.383,24.638) 15.494,25.527 ; 16.559,20.447 ccw(c14.82,22.645) 17.018,24.384 ; 17.145,12.319 ccw(c15.748,13.97) 17.399,15.367
Mechanical 1:
  lines w0.254: -0.011,4.318 ccw(c4.381,4.381) 4.699,0 43.053,0 ; 0,4.318 0,36.322 cw(c4.381,36.639) 4.318,41.032 ; 4.318,41.021 42.672,41.021 cw(c42.989,36.639) 47.382,36.703 ; 43.053,-0.011 ccw(c42.989,4.381) 47.371,4.699 47.371,36.703

## Text inside footprints (layer, text, board x,y; h text height)
JP2: Bottom Overlay "19" at 9.017,7.366 h0.51 r90; Bottom Overlay "20" at 6.223,7.366 h0.51 r90; Bottom Overlay "1" at 9.017,34.29 h1.02 r90; Bottom Overlay "2" at 6.477,34.544 h1.02 r90
JP3: Bottom Overlay "19" at 36.957,5.715 h1.02 r180; Bottom Overlay "20" at 36.957,2.921 h1.02 r180; Bottom Overlay "1" at 10.033,5.715 h1.02 r180; Bottom Overlay "2" at 9.779,3.175 h1.02 r180
JP4: Bottom Overlay "19" at 38.354,33.528 h1.02 r270; Bottom Overlay "20" at 41.148,33.528 h1.02 r270; Bottom Overlay "1" at 38.354,6.604 h1.02 r270; Bottom Overlay "2" at 40.894,6.35 h1.02 r270
JP5: Bottom Overlay "19" at 10.541,35.179 h1.02; Bottom Overlay "20" at 10.541,37.973 h1.02; Bottom Overlay "1" at 37.465,35.179 h1.02; Bottom Overlay "2" at 37.719,37.719 h1.02